# Altium PCB 四层板(完成).PcbDoc (part 1 of 3) (continued)
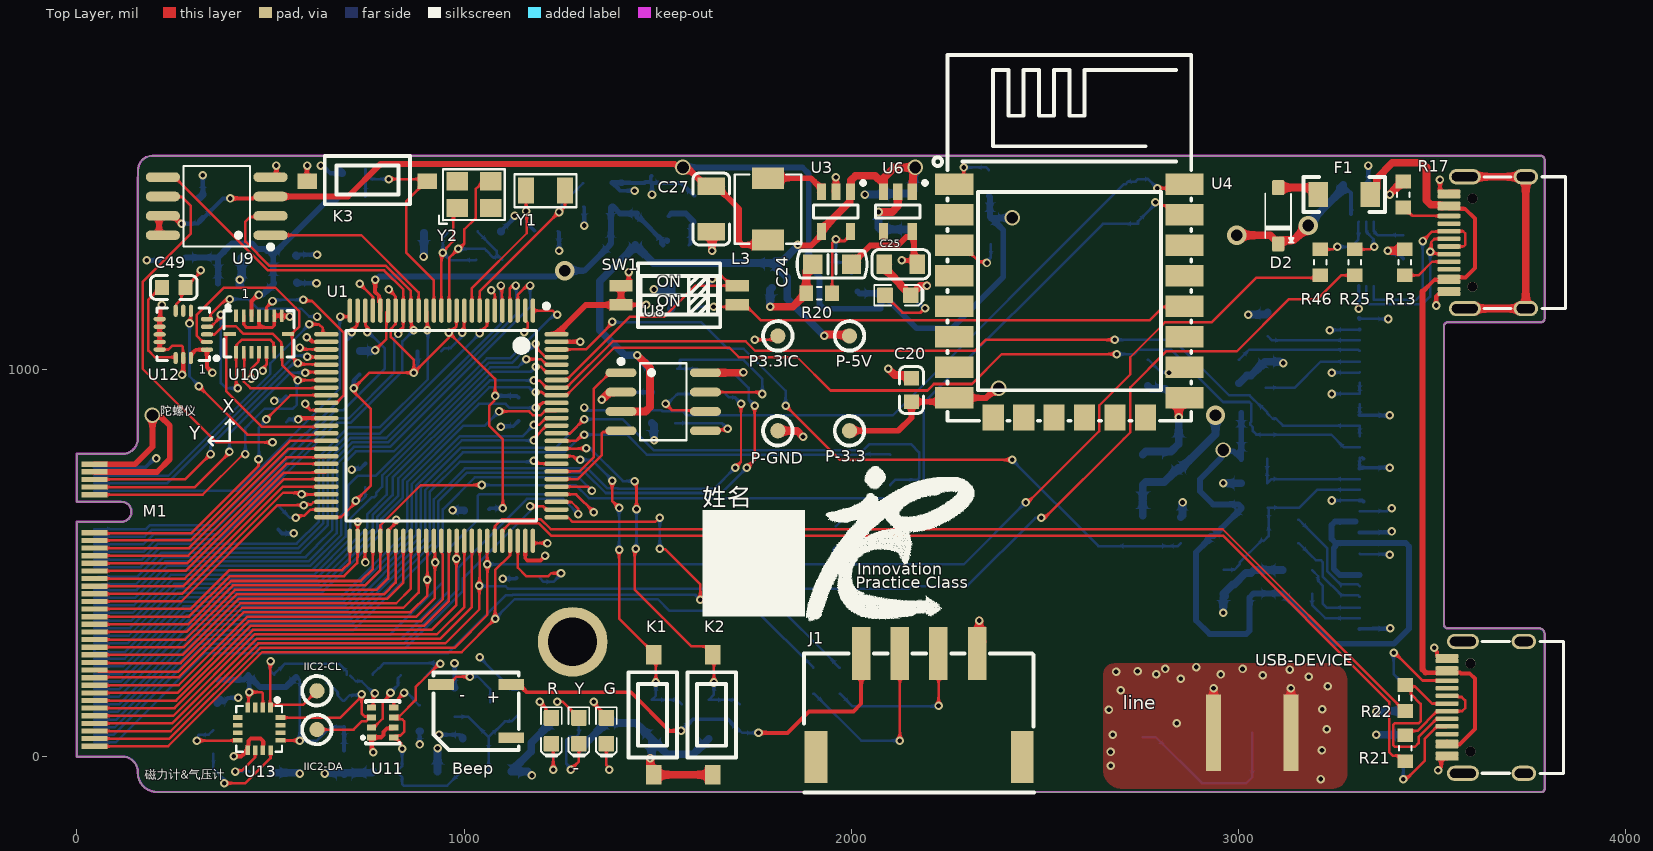
[diagram p0: Top Layer view]
## Components (designator, comment, footprint, x,y, rotation, side; value= is the part's Value field where it differs from the comment) (continued)
G "LED0" 0603_LED 1367.67,66.44 r270 top (schematic designator L3-1)
IIC2-CL "MARK-POINT" MARK-POINT 620,170 r90 top (schematic designator T-IIC)
IIC2-DA "MARK-POINT" MARK-POINT 620,70 r90 top (schematic designator T-IIC2)
J1 "XH-4P卧贴" CONN-SMD_2.54-4P-WT 2175.28,132.58 r0 top
K1 "SW-PB" key-sop 1489.48,107.98 r90 top
K2 "SW-PB" key-sop 1641.78,107.97 r90 top
K3 "SW-PB" key-sop 750.28,1486.44 r0 top
L3 "2.2uH" SMD 1770.28,1401.44 r90 top
LED1 "LED_0603_BLUE" 0603_LED 2120.28,1191.44 r0 top
LINE "SMA_RF" SMA_RF偏脚 3032.78,51.44 r0 bottom
M1 "M.2" "M.2 M" 0,390.94 r180 top
OLED1 "OLED_0.96_30P" oled_0.96_30p 3455.28,681.44 r180 bottom
P3.3IC "MARK-POINT" MARK-POINT 1810.28,1086.44 r0 top (schematic designator T3)
P-3.3 "MARK-POINT" MARK-POINT 1995.27,841.44 r0 top (schematic designator T4)
P-5V "MARK-POINT" MARK-POINT 1995.27,1086.44 r0 top (schematic designator T2)
P-GND "MARK-POINT" MARK-POINT 1810.28,841.44 r0 top (schematic designator T1)
Q1 "8050" SOT_23 1021.79,140.63 r90 bottom value=S8050
R "LED0" 0603_LED 1225.7,66.45 r270 top (schematic designator L1)
R1 "1K" 0603_R 1225.7,53.17 r90 bottom value=1k
R2 "10K" 0603_R 1561.77,102.18 r90 bottom
R3 "1K" 0603_R 1296.67,53.19 r270 bottom value=1k
R3-1 "1K" 0603_R 1367.66,53.17 r90 bottom value=1k
R4 "10K" 0603_R 1711.78,101.44 r90 bottom
R5 "10K" 0603_R 711.81,1446.45 r0 bottom value=1K
R7 "1.5K" 0603_R 1547.22,1321.1 r180 bottom value=1K
R8 "4.7K" 0603_R 1595.29,1414.91 r270 bottom value=1K
R9 "1K" 0603_R 1408.78,1321.11 r0 bottom
R10 "1M" 0603_R 1065.28,1283.41 r0 bottom
R11 "10R" 0603_R 1970.28,196.44 r90 bottom
R12 "10R" 0603_R 1902.16,196.44 r90 bottom
R13 "5.1K" 0603_R 3428.84,1276.44 r270 top
R14 "10K" 0603_R 2355.28,1481.44 r270 bottom value=1K
R15 "10K" 0603_R 2360.28,1356.44 r90 bottom value=1K
R16 "10K" 0603_R 2765.28,991.44 r270 bottom value=1K
R17 "5.1K" 0603_R 3425.28,1451.44 r90 top
R19 "68K" 0603_R 1916.03,1276.44 r180 bottom value=1K
R20 "15K" 0603_R 1916.81,1196.43 r0 top value=1K
R21 "22R" 0603_R 3430.28,21.44 r270 top value=22
R22 "22R" 0603_R 3430.28,151.44 r270 top value=22
R24 "10K" 0603_R 540.28,896.44 r270 bottom
R25 "200R" 0603_R 3300.28,1276.44 r270 top value=200
R26 "1K" 0603_R 2118.74,1191.45 r0 bottom
R27 "4.7K" 0603_R 3040.23,768.82 r0 bottom value=1K
R28 "4.7K" 0603_R 3040.31,705.68 r180 bottom value=1K
R29 "10K" 0603_R 1567.91,1156.43 r0 bottom
R30 "4.7K" 0603_R 3041.62,643.19 r0 bottom value=1K
R31 "10K" 0603_R 1570.28,1216.44 r0 bottom
R32 "4.7K" 0603_R 1137.02,138.72 r90 bottom
R33 "3.3K" 0603_R 1029.73,48.72 r180 bottom
R34 "120R" 0603_R 1550.27,967.97 r90 bottom value=1K
R35 "4.7K" 0603_R 3040.28,831.44 r180 bottom value=1K
R36 "4.7K" 0603_R 3040.24,887.85 r180 bottom value=1K
R37 "620K" 0603_R 3069.76,986.52 r90 bottom value=1K
R38 "10K" 0603_R 885.14,99.18 r270 bottom value=1K
R39 "10K" 0603_R 870,210 r0 bottom value=1K
R40 "10K" 0603_R 689.83,110.68 r270 bottom value=1K
R41 "10K" 0603_R 739.92,208.5 r0 bottom value=1K
R42 "2.2K" 0603_R 476.05,211.66 r180 bottom value=1K
R43 "2.2K" 0603_R 600.12,208.5 r180 bottom value=1K
R44 "0" 0603_R 1640.28,996.44 r0 bottom
R45 "0" 0603_R 1641.81,936.45 r0 bottom
R46 "200R" 0603_R 3211.15,1276.44 r270 top value=200
R47 "5.1K" 0603_R 3425.29,22.98 r270 bottom
R48 "5.1K" 0603_R 3430.28,151.44 r270 bottom
R49 "10K" 0603_R 2850.78,584.97 r90 bottom value=1K
R50 "10K" 0603_R 1960.28,561.44 r90 bottom value=1K
SW1 "KEY" SW-SMD_4P_DSHP02TSGET 1555.28,1191.44 r90 top
U1 "STM32F407VET6" LQF-100PIN 985.28,766.44 r180 top
U2 "TL431/注意封装，这是国产，优信在卖，TI的21脚是相反，一切以432的封装为准" "SOT23-3 `" 1482.24,1451.44 r270 bottom
U3 "MT3410LB" SOT23-5 1975.28,1406.44 r180 top
U4 "ESP-12F(ESP8266MOD)" WIFIM-SMD_ESP-12F-ESP8266MOD 2563.04,1176.45 r270 top value=2.4GHz
U5 "ATK-LORA02" ATK-LORA02 2647.6,557.66 r270 bottom
U6 "ME6211C33M5G" SOT23-5 2135.28,1406.44 r180 top
U7 "CH340E" MSOP-10_L3.0-W3.0-P0.50-LS5.0-BL 3310.28,1298.37 r180 bottom
U8 "TJA1051T/3" SOP-8 1510.28,921.44 r270 top
U9 "W25Q128JVSIQ" SOIC-8_L5.3-W5.3-P1.27-LS8.0-BL 361.3,1421.44 r90 top
U10 "BMI088" LGA-16_L4.5-W3.0-P0.50-BL 470.28,1091.44 r270 top
U11 "BMP280" BMP280 778.19,83.39 r180 top
U12 "ICM-20602" ICM20602 285.28,1091.44 r180 top
U13 "HMC5883L" HMC5883L 47225.73,47241.56 r180 top
USB-DEVICE "TYPE-C 16PIN" "TYPE-C 16PIN" 3705.28,121.44 r0 top (schematic designator 2)
Y "LED0" 0603_LED 1296.67,66.45 r270 top (schematic designator L2)
Y1 "32.768KHZ" OSC-SMD_L3.2-W1.5 1210.28,1461.44 r180 top
Y2 "8M/12M-3225" OSC-SMD_4P-L3.2-W2.5-BL 1025.28,1451.44 r0 top value=12MHz

## Footprints (in the part's own frame and the unit in brackets; to place one, negate y for a bottom-side part, rotate by r counter-clockwise, add the part's x,y. Pads: shape width x height; smd on the part's side, far side on the other; paste and mask are expansions set on the pad)
0603_C [mm]
  rect 0.93x0.98 smd: 1(-0.77,0) 2(0.77,0)
  silkscreen extent -1.54,-0.79 1.54,0.79, body extent -0.8,-0.4 0.8,0.4, height 0.3
0603_LED [mil]
  rrect10% 40.5x40 smd: 1(-33.46,0)
  rrect10% 40x40 smd: 2(33.46,0)
  silkscreen extent -61,-27 66,27, body extent -31,-16 32,16, height 30
0603_R [mm]
  rect 0.9x1 smd: 1(0.85,0) 2(-0.85,0)
  Top Layer pour cut-out: 0.4,-0.6 -0.4,-0.6 -0.4,0.6 0.4,0.6
  silkscreen extent -0.15,-0.41 0.15,0.41, body extent -0.87,-0.47 0.88,0.48, height 0.54
0805_C [mil]
  rect 50x50 smd: 1(-50,0) 2(50,0)
  Top Layer pour cut-out: -15.75,31.5 15.75,31.5 15.75,-31.5 -15.75,-31.5
  silkscreen extent -90,-35 90,35, body extent -43,-29 43,29, height 53
0805C [mil]
  rect 40x50 smd: 1(0,0) 2(85,0)
  silkscreen extent -32,-38 117,38, body extent 3,-25 82,25, height 30
1206_C [mm]
  rect 1.13x1.8 smd: 1(-1.49,0) 2(1.49,0)
  silkscreen extent -2.36,-1.2 2.35,1.2, body extent -1.6,-0.81 1.6,0.79, height 1
ATK-LORA02 [mm]
  rect 0.9x2.6 smd: 1(14.882,-2.667) 2(12.882,-2.667) 3(10.882,-2.667) 4(4.349,-2.667) 5(2.349,-2.667) 6(0.349,-2.667) 7(-1.651,-2.667) 8(-3.651,-2.667) 9(-5.651,-2.667) 10(-5.651,13.902) 11(-3.651,13.902) 12(-1.651,13.902) 13(0.349,13.902) 14(2.349,13.902) 15(4.349,13.902)
  silkscreen extent -7.15,-2.85 16.85,14.15
BMP280 [mm]
  rect 0.6x0.4 smd: 1(0.428,0.851) 2(0.428,0.201) 3(0.428,-0.449) 4(0.428,-1.099) 5(-1.022,-1.099) 6(-1.022,-0.449) 7(-1.022,0.201) 8(-1.022,0.851)
  silkscreen extent -1.4,-1.52 1.1,1.28, body extent -1.78,-1.63 1.22,1.37, height 0.63
BUZ-SMD_L5.0-W5.5-P4.60 [mm]
  rect 1.7x0.7 smd: 1(-2.3,-1.75) 2(2.3,-1.75) 3(-2.3,1.75)
  silkscreen extent -2.79,-2.54 2.79,2.54, body extent -3.12,-1.64 2.88,1.86, height 1.06
CONN-SMD_2.54-4P-WT [mm]
  rect 1.2x3.5 smd: 1(-3.81,3.4) 2(-1.27,3.4) 3(1.25,3.4) 4(3.81,3.4)
  rect 1.5x3.4 smd: 5(6.76,-3.4) 6(-6.76,-3.4)
  silkscreen extent -7.56,-5.71 7.54,3.4, body extent -6.13,-4.24 5.87,3.56, height 6.15
FUSE_1206 [mil]
  rect 50x65 smd: 1(-60,0) 2(75,0)
  silkscreen extent -98,-45 112,45, body extent -58,-34 68,30, height 34
HMC5883L [mm]
  rect 0.3x0.65 smd mask+0.051: 1(1186.828,1196.718) 2(1187.328,1196.718) 3(1187.828,1196.718) 4(1188.328,1196.718) 9(1188.327,1199.518) 10(1187.827,1199.518) 11(1187.327,1199.518) 12(1186.826,1199.518)
  rect 0.65x0.3 smd mask+0.051: 5(1188.977,1197.37) 6(1188.977,1197.87) 7(1188.977,1198.37) 8(1188.977,1198.87) 13(1186.177,1198.87) 14(1186.177,1198.37) 15(1186.177,1197.87) 16(1186.177,1197.37)
  silkscreen extent 1186.08,1196.09 1189.08,1199.62, body extent 1185.46,1196 1189.48,1200.02, height 0.78
ICM20602 [mm]
  oval 0.8x0.28 smd paste+0 mask+0.102: 1(-1.288,1.026) 2(-1.288,0.526) 3(-1.288,0.026) 4(-1.288,-0.474) 5(-1.288,-0.974) 9(1.812,-0.974) 10(1.812,-0.474) 11(1.812,0.026) 12(1.812,0.526) 13(1.812,1.026)
  oval 0.28x0.8 smd paste+0 mask+0.102: 6(-0.238,-1.524) 7(0.262,-1.524) 8(0.762,-1.524) 14(0.762,1.576) 15(0.262,1.576) 16(-0.238,1.576)
  silkscreen extent -2.04,-1.7 1.99,1.75, body extent -1.63,-2.03 2.39,1.99, height 0.78
key-sop [mil]
  rect 50x40 smd: 1(-155,0) 2(155,0)
  silkscreen extent -110,-60 110,65, body extent -150,-67 165,71, height 102
LGA-16_L4.5-W3.0-P0.50-BL [mm]
  rect 0.8x0.25 smd: 1(-1.2,-1.498) 2(-1.2,-0.998) 3(-1.2,-0.498) 4(-1.2,0.002) 5(-1.2,0.502) 6(-1.2,1.002) 7(-1.2,1.502) 9(1.2,1.502) 10(1.2,1.002) 11(1.2,0.502) 12(1.2,0.002) 13(1.2,-0.498) 14(1.2,-0.998) 15(1.2,-1.498)
  rect 0.25x0.8 smd: 8(0,1.915) 16(0,-1.915)
  silkscreen extent -1.89,-2.29 1.52,2.29, body extent -1.5,-1.48 1.5,1.52, height 0.63
LQF-100PIN [mm]
  oval 0.3x1.6 smd paste-100 mask+0.051: 1(-4.889,-9.788) 2(-4.389,-9.788) 3(-3.889,-9.788) 4(-3.389,-9.788) 5(-2.889,-9.788) 6(-2.389,-9.788) 7(-1.889,-9.788) 8(-1.389,-9.788) 9(-0.889,-9.788) 10(-0.389,-9.788) 11(0.111,-9.788) 12(0.611,-9.788) 13(1.111,-9.788) 14(1.611,-9.788) 15(2.111,-9.788) 16(2.611,-9.788) 17(3.111,-9.788) 18(3.611,-9.788) 19(4.111,-9.788) 20(4.611,-9.788) 21(5.111,-9.788) 22(5.611,-9.788) 23(6.111,-9.788) 24(6.611,-9.788) 25(7.111,-9.788) 51(7.111,5.311) 52(6.611,5.311) 53(6.111,5.311) 54(5.611,5.311) 55(5.111,5.311) 56(4.611,5.311) 57(4.111,5.311) 58(3.611,5.311) 59(3.111,5.311) 60(2.611,5.311) 61(2.111,5.311) 62(1.611,5.311) 63(1.111,5.311) 64(0.611,5.311) 65(0.111,5.311) 66(-0.389,5.311) 67(-0.889,5.311) 68(-1.389,5.311) 69(-1.889,5.311) 70(-2.389,5.311) 71(-2.889,5.311) 72(-3.389,5.311) 73(-3.889,5.311) 74(-4.389,5.311) 75(-4.889,5.311)
  oval 1.6x0.3 smd paste-100 mask+0.051: 26(8.661,-8.238) 27(8.661,-7.739) 28(8.661,-7.238) 29(8.661,-6.739) 30(8.661,-6.238) 31(8.661,-5.739) 32(8.661,-5.238) 33(8.661,-4.739) 34(8.661,-4.238) 35(8.661,-3.739) 36(8.661,-3.238) 37(8.661,-2.738) 38(8.661,-2.239) 39(8.661,-1.738) 40(8.661,-1.239) 41(8.661,-0.738) 42(8.661,-0.239) 43(8.661,0.262) 44(8.661,0.761) 45(8.661,1.262) 46(8.661,1.761) 47(8.661,2.262) 48(8.661,2.761) 49(8.661,3.262) 50(8.661,3.761) 76(-6.439,3.761) 77(-6.439,3.262) 78(-6.439,2.761) 79(-6.439,2.262) 80(-6.439,1.761) 81(-6.439,1.262) 82(-6.439,0.761) 83(-6.439,0.262) 84(-6.439,-0.239) 85(-6.439,-0.738) 86(-6.439,-1.239) 87(-6.439,-1.738) 88(-6.439,-2.239) 89(-6.439,-2.738) 90(-6.439,-3.239) 91(-6.439,-3.739) 92(-6.439,-4.238) 93(-6.439,-4.739) 94(-6.439,-5.238) 95(-6.439,-5.739) 96(-6.439,-6.238) 97(-6.439,-6.739) 98(-6.439,-7.238) 99(-6.439,-7.739) 100(-6.439,-8.238)
  silkscreen extent -5.92,-10.23 7.36,4.01, body extent -6.86,-10.29 9.15,5.72, height 1.45
"M.2 M" [mm]
  rect 1.7x0.34 smd paste+0 mask+0.051: 1(-1.15,9.25) 3(-1.15,8.75) 5(-1.15,8.249) 7(-1.15,7.749) 9(-1.15,7.249) 11(-1.15,6.749) 13(-1.15,6.249) 15(-1.15,5.749) 17(-1.15,5.249) 19(-1.15,4.749) 21(-1.15,4.249) 23(-1.15,3.749) 25(-1.15,3.249) 27(-1.15,2.749) 29(-1.15,2.249) 31(-1.15,1.749) 33(-1.15,1.249) 35(-1.15,0.749) 37(-1.15,0.249) 39(-1.15,-0.251) 41(-1.15,-0.751) 43(-1.15,-1.251) 45(-1.15,-1.751) 47(-1.15,-2.251) 49(-1.15,-2.751) 51(-1.15,-3.251) 53(-1.15,-3.751) 55(-1.15,-4.251) 57(-1.15,-4.751) 67(-1.15,-7.251) 69(-1.15,-7.751) 71(-1.15,-8.251) 73(-1.15,-8.751) 75(-1.15,-9.251)
  rect 1.7x0.34 smd far side paste+0 mask+0.051: 2(-1.15,9) 4(-1.15,8.501) 6(-1.15,8.001) 8(-1.15,7.501) 10(-1.15,7.001) 12(-1.15,6.501) 14(-1.15,6.001) 16(-1.15,5.501) 18(-1.15,5.001) 20(-1.151,4.499) 22(-1.15,4.001) 24(-1.15,3.501) 26(-1.15,3.001) 28(-1.15,2.501) 30(-1.15,2.001) 32(-1.15,1.501) 34(-1.15,1.001) 36(-1.15,0.501) 38(-1.15,0.001) 40(-1.15,-0.499) 42(-1.151,-0.998) 44(-1.15,-1.499) 46(-1.15,-1.999) 48(-1.15,-2.499) 50(-1.15,-2.999) 52(-1.15,-3.499) 54(-1.15,-3.999) 56(-1.15,-4.499) 58(-1.15,-4.999) 68(-1.15,-7.499) 70(-1.15,-7.999) 72(-1.15,-8.499) 74(-1.15,-8.999)
  Keep-Out Layer lines w0.154: -4,10.93 ccw(c-3,10.93) -3,9.93 0,9.93 0,-5.48 -2.9,-5.48 ccw(c-2.931,-6.13) -2.9,-6.78 0,-6.78 0,-9.93 -3,-9.93 ccw(c-3,-10.93) -4,-10.93
MARK-POINT [mm]
  round 1 smd: 1(0,0)
  silkscreen extent -0.96,-0.97 0.97,0.97
MSOP-10_L3.0-W3.0-P0.50-LS5.0-BL [mm]
  oval 0.28x1.62 smd: 1(-1,-2.11) 2(-0.5,-2.11) 3(0,-2.11) 4(0.5,-2.11) 5(1,-2.11) 6(1,2.11) 7(0.5,2.11) 8(0,2.11) 9(-0.5,2.11) 10(-1,2.11)
  silkscreen extent -1.74,-2.26 1.58,1.07, body extent -1.48,-2.45 1.52,2.45, height 0.95
oled_0.96_30p [mm]
  rect 2.499x0.399 smd paste+0.102 mask+0.102: 1(3.627,-8.93) 2(3.627,-8.232) 3(3.627,-7.531) 4(3.627,-6.83) 5(3.627,-6.131) 6(3.627,-5.4) 7(3.627,-4.701) 8(3.627,-4) 9(3.627,-3.299) 10(3.627,-2.601) 11(3.627,-1.9) 12(3.627,-1.201) 13(3.627,-0.5) 14(3.627,0.201) 15(3.627,0.9) 16(3.627,1.601) 17(3.627,2.299) 18(3.627,3) 19(3.627,3.701) 20(3.627,4.4) 21(3.627,5.101) 22(3.627,5.799) 23(3.627,6.5) 24(3.627,7.201) 25(3.627,7.9) 26(3.627,8.601) 27(3.627,9.299) 28(3.627,10) 29(3.627,10.699) 30(3.627,11.4)
  silkscreen extent -13.14,-12.05 6.12,14.65, body extent -28.07,-12.08 -5.85,14.62, height 0.62
OSC-SMD_4P-L3.2-W2.5-BL [mm]
  rect 1.4x1.2 smd: 1(-1.1,-0.875) 2(1.1,-0.875) 3(1.1,0.875) 4(-1.1,0.875)
  silkscreen extent -2.29,-1.9 2.03,1.65, body extent -1.47,-1.27 1.73,1.23, height 0.7
OSC-SMD_L3.2-W1.5 [mm]
  rect 1.05x1.7 smd: 1(-1.275,0) 2(1.275,0)
  silkscreen extent -2.03,-1.08 2.03,1.08, body extent -1.6,-0.74 1.6,0.76, height 0.61
SMA_RF偏脚 [mil]
  rect 39.37x196.85 smd paste+0 mask+2: 1(2.5,-10) 2(-97.5,-10) 3(102.5,-10)
  rect 39.37x196.85 smd far side paste+0 mask+2: 4(-97.5,-10) 5(102.5,-10)
  silkscreen extent -162,-115 162,115, body extent -132,-80 462,475, height 217
SMD [mm]
  rect 1.4x2.12 smd: 1(2.343,-0.364) 2(-1.713,-0.364)
  silkscreen extent -1.96,-2.54 2.59,1.81, body extent -1.83,-2.35 2.59,1.65, height 2.1
SOD123 [mm] "SOD-123; 2 Leads; Body 2.7 x 1.6 mm, (LxW)"
  rrect25% 1x0.8 smd: 1(-1.85,0) 2(1.85,0)
  silkscreen extent -1.45,-0.85 1.75,1, body extent -1.95,-0.9 1.95,0.9, height 1.18
SOIC-8_L5.3-W5.3-P1.27-LS8.0-BL [mm]
  oval 0.63x2.25 smd: 1(-1.905,-3.53) 2(-0.635,-3.53) 3(0.635,-3.53) 4(1.905,-3.53) 5(1.905,3.53) 6(0.635,3.53) 7(-0.635,3.53) 8(-1.905,3.53)
  silkscreen extent -2.82,-3.68 2.64,2.18, body extent -2.36,-2.87 2.54,3.13, height 1.75
SOP-8 [mil]
  oval 22.6x80.14 smd mask+2: 1(-69.98,-104.93) 2(-19.98,-104.93) 3(30.02,-104.93) 4(80.02,-104.93) 5(80.02,113.01) 6(30.02,113.01) 7(-19.98,113.01) 8(-69.98,113.01)
  silkscreen extent -105,-111 104,64, body extent -93,-108 100,128, height 69
"SOT23-3 `" [mm]
  rect 1.07x0.6 smd: 1(1.246,-0.989) 2(1.246,0.911) 3(-1.224,-0.039)
  silkscreen extent -0.87,-1.57 0.89,1.5, body extent -1.25,-1.5 1.25,1.5, height 1.12
SOT23-5 [mm]
  rect 0.6x1.1 smd: 1(-0.563,-1.324) 2(0.387,-1.324) 3(1.337,-1.324) 4(1.337,1.276) 5(-0.563,1.276)
  silkscreen extent -1.52,-2.03 1.86,0.4, body extent -1.07,-1.53 1.83,1.27, height 1.45
SOT_23 [mm]
  rect 0.9x0.95 smd: 1(0.95,-1.175) 2(-0.95,-1.175) 3(0,1.175)
  silkscreen extent -1.3,-0.3 1.3,1.18, body extent -1.5,-1.32 1.5,1.18, height 1.12
SW-SMD_4P_DSHP02TSGET [mil]
  rect 30x60 smd: 1(-25,-150) 2(25,-150) 3(25,150) 4(-25,150)
  silkscreen extent -83,-106 83,106, body extent -83,-176 80,166, height 93
"TYPE-C 16PIN" [mm]
  oval 2.1x1 hole 0.6 slot 1.7 at 0 deg: 1(-3.201,-4.178) 2(-3.201,4.472)
  oval 1.6x1 hole 0.6 slot 1.2 at 0 deg: 3(0.799,-4.178) 4(0.799,4.472)
  rrect50% 1.5x0.3 smd: A1(-4.241,-3.203) A4(-4.241,-2.403) A5(-4.241,-1.103) A6(-4.241,-0.103) A7(-4.241,0.397) A8(-4.241,1.397) A9(-4.241,2.697) A12(-4.241,3.497) B1(-4.241,3.197) B4(-4.241,2.397) B5(-4.241,1.897) B6(-4.241,0.897) B7(-4.241,-0.603) B8(-4.241,-1.603) B9(-4.241,-2.103) B12(-4.241,-2.903)
  round 0.65 hole 0.65: ""(-2.701,-2.743) ""(-2.701,3.037)
  silkscreen extent -1.94,-4.18 3.4,4.47, body extent -4.29,-4.33 3.46,4.62, height 3.26
WIFIM-SMD_ESP-12F-ESP8266MOD [mm]
  rect 1.4x2.5 smd: 1(-7.651,-7.551) 2(-5.651,-7.551) 3(-3.651,-7.551) 4(-1.651,-7.551) 5(0.349,-7.551) 6(2.349,-7.551) 7(4.349,-7.551) 8(6.349,-7.551) 9(6.349,7.549) 10(4.349,7.55) 11(2.349,7.551) 12(0.349,7.551) 13(-1.651,7.55) 14(-3.651,7.551) 15(-5.651,7.55) 16(-7.651,7.551)
  rect 1.7x1.4 smd: 17(7.651,-5) 18(7.649,-3.002) 19(7.65,-1.003) 20(7.65,0.997) 21(7.65,2.997) 22(7.65,4.997)
  silkscreen extent -16.15,-8.92 7.85,8, body extent -16.06,-8.13 7.94,7.88, height 2.65

## Part data
Beep: JLCPCB Part Class="Extended Part", Manufacturer=华能, Add into BOM=yes, Convert to PCB=yes, Datasheet=https://atta.szlcsc.com/upload/public/pdf/source/20210811/111454390007D221D7259018FB170E62.pdf, Device=MLT-5020, HEIGHT=2.5mm, LCSC Part Name=MLT-5020, Length=5.2mm, Manufacturer Part=MLT-5020, Name=4000Hz, Oscillator Circuit=无源(外部驱动), Supplier=LCSC, Supplier Footprint=SMD,5x5mm, Supplier Part=C94598, Symbol=MLT-5020, Technology Type=电磁式, Width=5.2mm
C1 C2 C33: library part Cap_0603, "Capacitor"
C3 C11 C12 C15 C16 C17 C18 C21 C22 C23 C24 C25 C26 C27 C31 C34 C35 C36 C37 C38 C39 C40 C41: library part CAP, "Capacitor"
C4 C6 C7 C8 C9 C19 C20 C30 C32 C42 C43 C44 C45 C46 C47 C48 C49 C50 C51 C52: library part CAP1
C14 C28 C29: library part Cap_0805, "Capacitor"
D1 D2: library part 1N4007
F1: "FUSE,Littelfuse"
G R Y: "Typical INFRARED GaAs LED", LatestRevisionDate=08-Jul-2005, LatestRevisionNote="Mech Layer 1 removed.", PackageDescription="LED; 2 Leads", PackageReference=LED-0, Published=8-Jun-2000, Publisher="Altium Limited"
J1: Current Rating (Max)=-, JLCPCB Part Class="Extended Part", LCSC Part Name="XH 2.54mm 1x4P 卧贴", Manufacturer=BOOMELE(博穆精密), Add into BOM=yes, Contact Material=-, Contact Plating=-, Convert to PCB=yes, Datasheet=https://atta.szlcsc.com/upload/public/pdf/source/20220908/79989BAB89CEC7224389904CB8712A50.pdf, Device=XH-4P卧贴, Gender=-, Manufacturer Part=XH-4P卧贴, Mounting Style=-, Name=XH-4P卧贴, Number of PINs Per Row=4, Number of Rows=1, Operating Temperature Range=-, Pins Structure=1x4P, Pitch=2.54mm, Reference Series=XH, Row Spacing=-, Supplier=LCSC, Supplier Footprint=SMD,P=2.54mm, Supplier Part=C146120, Symbol=2.54-4P, Welding Temperature (Max)=-
L3: library part INDUCTANCE, =2.2uH
LED1: "LED"
OLED1: JLCPCB Part Class=扩展库, Manufacturer=WiseChip, Manufacturer Part=VG-2864KSWEG01, Add into BOM=yes, Convert to PCB=yes, Device=OLED_0.96_30P, Pin Type=IN, Supplier=LCSC, Supplier Part=C194313, Symbol=OLED_0.96_30P
Q1: library part S8050, "NPN"
R1 R3 R3-1: library part Res2, "Resistor", LatestRevisionDate=17-Jul-2002, LatestRevisionNote="Re-released for DXP Platform.", PackageDescription="Axial Device, Thru-Hole; 2 Leads; 0.4 in Pin Spacing", PackageReference=AXIAL-0.4, Published=8-Jun-2000, Publisher="Altium Limited"
R2 R4: library part RES_10K, =10K
R5 R7 R8 R9 R14 R15 R16 R19 R20 R26 R27 R28 R30 R34 R35 R36 R37 R38 R39 R40 R41 R42 R43 R49 R50: library part RES, "Ressitor"
R10 R11 R12 R13 R17 R21 R22 R24 R25 R29 R31 R32 R33 R44 R45 R46 R47 R48: library part Res_0603, "Resistor"
SW1: library part DSHP02TSGET, Color=黑色, JLCPCB Part Class="Extended Part", LCSC Part Name="2位 1.27间距", Manufacturer=YE, Add into BOM=yes, Circuit=单刀单掷, Convert to PCB=yes, Datasheet=https://atta.szlcsc.com/upload/public/pdf/source/20150928/1457707425261.pdf, Device=DSHP02TSGET, Lead Pitch=1.27mm, Manufacturer Part=DSHP02TSGET, Name=DSHP02TSGET, Number of Positions=2, Supplier=LCSC, Supplier Footprint=SMD-4P,4.1x5.4mm, Supplier Part=C40735, Symbol=DSHP02TSGET, Type=平拨，凹槽式
U1: JLCPCB Part Class="Extended Part", LCSC Part Name="ARM Cortex-M4 168MHz 闪存：512K@x8bit RAM：192KB", Manufacturer=ST(意法半导体), Maximum Frequency=168MHz, Operating Temperature Range=-40℃~+85℃, Supply Voltage Range=1.8V~3.6V, ADC (Units/Channels/bits)=1@x16ch/12bit, Add into BOM=yes, Convert to PCB=yes, CPU Core="ARM Cortex-M4", DAC (Units/Channels/bits)=1@x2ch/12bit, Datasheet=https://atta.szlcsc.com/upload/public/pdf/source/20140322/1457707027869.pdf, Device=STM32F407VET6, EEPROM/Data FLASH Size=-, GPIO Ports Number=82, Internal Oscillator=有, Manufacturer Part=STM32F407VET6, Name=STM32F407VET6, Peripherals / Functions / Protocol Stacks=欠压检测/复位；DMA；LCD驱动；看门狗；POR；PWM, Program FLASH Size=512K@x8bit, RAM Size=192KB, Supplier=LCSC, Supplier Footprint=LQFP-100(14x14), Supplier Part=C28730, Symbol=STM32F407VET6
U2: library part TL431, "IC"
U3: JLCPCB Part Class="Extended Part", Manufacturer=西安航天民芯, Add into BOM=yes, Convert to PCB=yes, Datasheet=https://atta.szlcsc.com/upload/public/pdf/source/20201021/C883494_10DFCA7CC096175FD05A8C016AA3F473.pdf, Device=MT3410LB, LCSC Part Name=MT3410LB, Manufacturer Part=MT3410LB, Name=MT3410LB, Supplier=LCSC, Supplier Footprint=SOT-23-5, Supplier Part=C883494, Symbol=MT3410LB
U4: JLCPCB Part Class="Extended Part", LCSC Part Name="完整的802.11b/g/n Wi-Fi的SoC模块", Manufacturer=Ai-Thinker(安信可), Operating Temperature=-40℃~+85℃, Operating Voltage=3.3V, Output Power=16dBm, Receive  Current=120mA, Send  Current=170mA, Add into BOM=yes, Antenna Type="PCB 板载天线", Convert to PCB=yes, Core Processor=ESP8266, Datasheet=https://atta.szlcsc.com/upload/public/pdf/source/20210219/C82891_ABD84A460F4F056A2757267CCCA4B508.pdf, Device=ESP-12F(ESP8266MOD), Manufacturer Part=ESP-12F(ESP8266MOD), Name=2.4GHz, Sensitivity=-90dBm, Supplier=LCSC, Supplier Footprint=SMD,16x24mm, Supplier Part=C82891, Support Interface=GPIO；UART；I2C；PWM；SPI；ADC, Symbol=ESP-12F(ESP8266MOD), Wireless Standard=802.11b/g/n
U5: library part LORA02
U6: library part ME6211C25M5G, JLCPCB Part Class="Extended Part", Manufacturer=MICRONE(南京微盟), Add into BOM=yes, Convert to PCB=yes, Datasheet=https://atta.szlcsc.com/upload/public/pdf/source/20211210/ACC7C3E9BA56F250BF966425916E32B9.pdf, Device=ME6211C25M5G, LCSC Part Name=ME6211C25M5G, Manufacturer Part=ME6211C25M5G, Name=ME6211C25M5G, Supplier=LCSC, Supplier Footprint=SOT23-5, Supplier Part=C2835813, Symbol=ME6211C25M5G
U7: JLCPCB Part Class="Extended Part", LCSC Part Name="USB转串口芯片 CH340", Manufacturer=WCH(南京沁恒), Supply Voltage=3.3V；5V, Add into BOM=yes, Applications Function=收发器, Convert to PCB=yes, Data Rate=2Mbps, Datasheet=https://atta.szlcsc.com/upload/public/pdf/source/20200819/C99652_97FFC0DF2539BFF05CD752AD9221D632.pdf, Device=CH340E, Manufacturer Part=CH340E, Name=CH340E, Protocol="USB 2.0", Supplier=LCSC, Supplier Footprint=MSOP-10, Supplier Part=C99652, Symbol=CH340E
U8: JLCPCB Part Class="Extended Part", LCSC Part Name=CAN芯片, Manufacturer=Tokmas(托克马斯), Add into BOM=yes, Convert to PCB=yes, Datasheet=https://atta.szlcsc.com/upload/public/pdf/source/20221230/A2F88B671123D34174A4F40D8F54A86B.pdf, Device=TJA1051T/3, Manufacturer Part=TJA1051T/3, Name=TJA1051T/3, Supplier=LCSC, Supplier Footprint=SOP-8, Supplier Part=C5342108, Symbol=TJA1051T/3
U9: "128Mbit(16MBx8bit),高速版,", JLCPCB Part Class=基础库, Manufacturer=WINBOND(华邦), Add into BOM=yes, Convert to PCB=yes, Datasheet=https://atta.szlcsc.com/upload/public/pdf/source/20170316/1489627409956.pdf, Device=W25Q128JVSIQ, LCSC Part Name=W25Q128JVSIQ, Manufacturer Part=W25Q128JVSIQ, Name=W25Q128JVSIQ, Supplier=LCSC, Supplier Footprint=SOIC-8-208mil, Supplier Part=C97521, Symbol=W25Q128JVSIQTR
U11: JLCPCB Part Class="Extended Part", Manufacturer=Bosch(博世), Add into BOM=yes, Convert to PCB=yes, Datasheet=https://atta.szlcsc.com/upload/public/pdf/source/20200702/C83291_F39E84AB7DFC569A4C7554F8659640A1.pdf, Device=BMP280, LCSC Part Name=BMP280, Manufacturer Part=BMP280, Name=BMP280, Supplier=LCSC, Supplier Footprint=LGA-8(2x2.5), Supplier Part=C83291, Symbol=BMP280
U12: BOM_LCSC Assembly=Yes, BOM_Manufacturer="TDK InvenSense", BOM_Manufacturer Part=ICM-20602, BOM_Supplier=LCSC, BOM_Supplier Part=C97633, Contributor=LCSC, SMT Type=Extend, spicePre=U, spiceSymbolName=ICM-20602
U13: JLCPCB Part Class=扩展库, Add into BOM=yes, Convert to PCB=yes, Datasheet=2021-07-28/72509S/c1235ff140a5464880e3b48633b24d5e/HMC5883L中文.pdf, Device=HMC5883L, LCSC Part Name=HMC5883L, Manufacturer Part=HMC5883L, Name=HMC5883L, Supplier=LCSC, Supplier Footprint=LPCC-16_L3.0-W3.0-P0.50, Supplier Part=C2859540, Symbol=HMC5883L
Y1: library part 晶振, "YST310S"
Y2: library part X322512MSB4SI, "无源晶振", Frequency Stability=±30ppm, Frequency Tolerance=±10ppm, JLCPCB Part Class="Basic Part", LCSC Part Name="12MHz ±10ppm 20pF", Load Capacitance=20pF, Manufacturer=YXC扬兴科技, Operating Temperature=-40℃~+85℃, Add into BOM=yes, Convert to PCB=yes, Crystal Type=贴片无源晶振, Datasheet=https://atta.szlcsc.com/upload/public/pdf/source/20210329/C112971_1F611BDC486E193C1706F6D8EB5AA189.pdf, Device=X322512MSB4SI, Manufacturer Part=X322512MSB4SI, Name=12MHz, Supplier=LCSC, Supplier Footprint=SMD3225-4P, Supplier Part=C9002, Symbol=X322512MSB4SI
M1: Contributor=LAXXI, spicePre=U, spiceSymbolName=M.2

## Free pads (board coordinates)
  round 180 hole 125.98: 2(1280.28,296.44)

## Via types
v1: diameter 22, hole 12, Top Layer to Bottom Layer, tented both sides, 195 vias
v2: diameter 22, hole 12, Top Layer to Bottom Layer, 71 vias
v3: diameter 40, hole 30, Top Layer to Bottom Layer, tented both sides, 6 vias
v4: diameter 50, hole 30, Top Layer to Bottom Layer, tented both sides, 4 vias

## Nets (pads, with @x,y where several pads share a name; then routed paths per layer and width w, separated by ;. In a path a pad name is that pad's centre, name@x,y a point inside that pad or via, vN(x,y) a via of type N, cw(c..) or ccw(c..) an arc to the next point about the centre after c; other vN are vias at no path point)
ADC1_IN: M1.68 U1.25 | length 968.8
  Top Layer w6.5: v2(680.28,1136.44) 702.87,1136.44 705.32,1138.89 U1.25@705.32,1151.81
  Bottom Layer w6.5: M1.68@45.28,686.19 415.03,686.19 678.78,949.94 678.78,1134.94 v2(680.28,1136.44)
BEEP_TIM12_CH1: R32.1 U1.53 | length 585
  Top Layer w6.5: U1.53@744.69,557.33 743.79,556.42 743.79,502.93 v2(745.28,501.44)
  PWR w6.5: v2(745.28,501.44) 795.28,501.44 v1(1040.28,256.44)
  Bottom Layer w6.5: v1(1040.28,256.44) 1124.53,172.19 R32.1@1137.03,172.19
BOOT0: R31.1 SW1.2 U1.94 | length 679.6
  Top Layer w6.5: U1.94@1238.78,972.68 1264.7,972.68 1428.46,1136.44 1517.09,1136.44 1597.09,1216.44 SW1.2@1690.28,1216.44 ; v1@1639.2,1241.44 1665.28,1241.44 SW1.2@1690.28,1216.44 ; SW1.2@1705.28,1216.44 1696.36,1216.44 SW1.2@1690.28,1216.44
  Bottom Layer w6.5: R31.1@1603.75,1216.43 1629.23,1216.43 v1@1647.04,1234.24
  other v1: 1640.96,1234.24
BOOT1: R24.1 U1.37 | length 109.3
  Top Layer w10: v2(571.99,870.69) 575.24,870.69 578.8,874.25 U1.37@644.3,874.25
  Bottom Layer w6.5: R24.1@540.27,862.97 R24.1@548.74,871.44
  Bottom Layer w10: R24.1@548.74,871.44 549.49,870.69 v2(571.99,870.69)
CAN1_RX: U1.81 U8.4 | length 251.3
  Top Layer w6.5: U1.81@1238.78,716.77 1294.1,716.77 1355.28,777.95 1355.28,834.53 1359.09,838.34 1402.27,838.34 U8.4@1405.35,841.42
CAN1_TX: U1.82 U8.1 | length 375.2
  Top Layer w6.5: U1.82@1238.78,736.46 1297.52,736.46 1335.28,774.22 1335.28,950.12 1376.58,991.42 U8.1@1405.35,991.42
CAN_N: M1.14 R45.1 | length 2229.9
  Top Layer w6: v1(1700.28,746.44) 1715.28,761.44 v1(1715.28,911.44)
  Bottom Layer w6.5: M1.14@45.28,154.69 108.53,154.69 295.28,341.44 710.08,341.44 922.28,553.64 922.28,664.7 1002.02,744.44 1318.54,744.44 1370.04,692.94 1396.67,692.94 1397.31,692.31 1646.15,692.31 v1(1700.28,746.44) ; R45.1@1675.28,936.44 1683.94,927.78 1698.94,927.78 v1@1713.94,912.78
  Bottom Layer w15: v1@1713.94,912.78 v1(1715.28,911.44)
CAN_P: M1.12 R44.1 | length 2354.9
  Top Layer w6.5: v1@1725.28,741.44 1750.28,766.44 v1(1750.28,906.44)
  Bottom Layer w6.5: M1.12@45.28,135.01 108.8,135.01 300.23,326.44 714.09,326.44 830.28,442.63 933.78,546.13 933.78,659.94 1006.78,732.94 1313.78,732.94 1365.91,680.81 1664.65,680.81 v1(1730.28,746.44) ; R44.1@1673.75,996.43 1682.24,987.94 1698.78,987.94 1734.53,952.19 1734.53,922.19 v1(1750.28,906.44)
CH340_RX_USART1: M1.3 R46.1 U1.69 | length 3865.8
  Top Layer w6.5: M1.3@45.28,46.47 239.05,46.47 473.64,281.06 974.9,281.06 1060.28,366.44 v2@1060.28,495.33 ; v2@1059.65,501.44 U1.69@1059.65,557.33 ; v2(1060.28,496.44) v2@1060.28,495.33 ; v2@1060.28,501.44 v2@1060.28,495.33 ; v1(2450.28,656.44) 2454.41,656.44 2455.28,655.57 2640.28,840.57 2640.28,907.24 2720.28,987.24 2720.28,1031.44 2802.88,1114.04 2802.88,1114.94 2809.38,1121.44 2930.28,1121.44 3045.28,1236.44 3204.63,1236.44 R46.1@3211.16,1242.97
  Bottom Layer w6.5: v2(1060.28,496.44) 2290.28,496.44 v1(2450.28,656.44)
CH340_TX_USART1: M1.5 R25.1 U1.68 | length 3968.5
  Top Layer w6.5: M1.5@45.28,66.17 242.48,66.17 468.87,292.56 951.4,292.56 1039.53,380.69 v2(1039.53,441.44) 1039.97,441.88 U1.68@1039.97,557.33 ; v1(2490.28,616.44) 2499.34,616.44 2703.42,820.52 2720.28,837.38 2720.28,953.65 2813.07,1046.44 2995.28,1046.44 3130.28,1181.44 3203.4,1181.44 3264.93,1242.97 R25.1@3300.29,1242.97
  Bottom Layer w6.5: v2(1039.53,441.44) 1040.97,440 1107.14,440 1113.24,433.9 2149.56,433.9 2156.02,440.35 2299.19,440.35 2475.28,616.44 v1(2490.28,616.44)
D+: 1.A6 1.B6 U7.1 | length 1154.9
  Top Layer w6.5: v1(3475.28,1331.44) 3499.84,1356 3542.57,1356 1.B6@3543.31,1356.74 3579.97,1356.74 3585.28,1351.44 3585.28,1321.44 3581.21,1317.37 1.A6@3543.31,1317.37
  Bottom Layer w6.5: U7.1@3349.65,1215.3 3349.65,1180.16 ; v1(3475.28,1331.44) 3475.28,1196.44 3459,1180.16 ; 3349.65,1180.16 3459,1180.16 ; 3349.65,1180.16 3459,1180.16 ; 3349.65,1180.16 3459,1180.16 ; 3349.65,1180.16 3459,1180.16 ; 3349.65,1180.16 3459,1180.16 ; 3349.65,1180.16 3459,1180.16 ; 3349.65,1180.16 3459,1180.16
D-: 1.A7 1.B7 U7.2 | length 456.8
  Top Layer w6.5: v1(3494.64,1304.06) 3498.83,1304.06 3504.04,1298.86 3542.14,1298.86 1.B7@3543.31,1297.69 ; v1@3497.61,1307.03 3497.61,1311.22 3497.61,1328.77 3505.9,1337.06 1.A7@3543.31,1337.06
  Bottom Layer w6.5: U7.2@3329.96,1215.3 3329.96,1176.76 3338.06,1168.66 3475.35,1168.66 3494.64,1187.95 v1@3494.64,1308
DAC_OUT: M1.70 U1.29 | length 737.8
  Top Layer w6.5: v2(595.28,1032.32) 596.01,1031.59 644.15,1031.59 U1.29@644.3,1031.74
  Bottom Layer w6.5: M1.70@45.28,705.87 233.2,705.87 511.03,983.7 511.03,984.41 562.31,1035.69 591.91,1035.69 v2(595.28,1032.32)
ESP8266_RX_USART3: ESP8266TX.1 M1.29 U1.56 U4.16 | length 3392.7
  Top Layer w6.5: M1.29@45.28,302.39 279.91,302.39 408.08,430.56 774.4,430.56 803.74,459.9 U1.56@803.74,557.33 ; U1.56@803.74,583.25 825.28,604.79 v2(825.28,611.44) ; v1(2790.28,1467.66) 2839.77,1467.66 2855.04,1482.93 U4.16@2860.31,1477.66
  PWR w6.5: v2(825.28,611.44) 908.06,611.44 1161.03,864.41 1178.81,882.19 1291.03,882.19 v1(1310.28,901.44)
  Bottom Layer w6.5: v1(1310.28,901.44) 1317.74,893.98 1510.2,893.98 1512.74,891.44 1564.86,891.44 1574.86,881.44 2107.06,881.44 2703.28,1477.66 2707.47,1477.66 2714.96,1485.15 2733.99,1485.15 ESP8266TX.1@2740.28,1491.44 2766.5,1491.44 v1(2790.28,1467.66)
ESP8266_TX_USART3: ESP8266RX.1 M1.31 U1.55 U4.15 | length 3510.9
  Top Layer w6.5: M1.31@45.28,322.07 283.33,322.07 403.32,442.06 744.68,442.06 784.06,481.44 U1.55@784.06,557.33 784.06,597.45 888.06,701.44 v2(1045.28,701.44) ; v1(2785.28,1431.44) 2789.47,1431.44 2797.69,1423.23 2835.99,1423.23 U4.15@2860.3,1398.92
  Bottom Layer w6.5: v2(1045.28,701.44) 1288.06,701.44 1322.31,667.19 2146.63,667.19 2186.78,707.34 2186.78,912.94 2649.76,1375.92 ESP8266RX.1@2740.28,1375.92 2740.28,1382.25 2785.28,1427.25 v1(2785.28,1431.44)
FLASH_SPI2_CS: U1.16 U9.1 | length 501.5
  Top Layer w6.5: U9.1@489.26,1346.44 735.03,1346.44 882.48,1198.99 U1.16@882.48,1151.81